# KiCad board Model K Pico-0.2.kicad_pcb
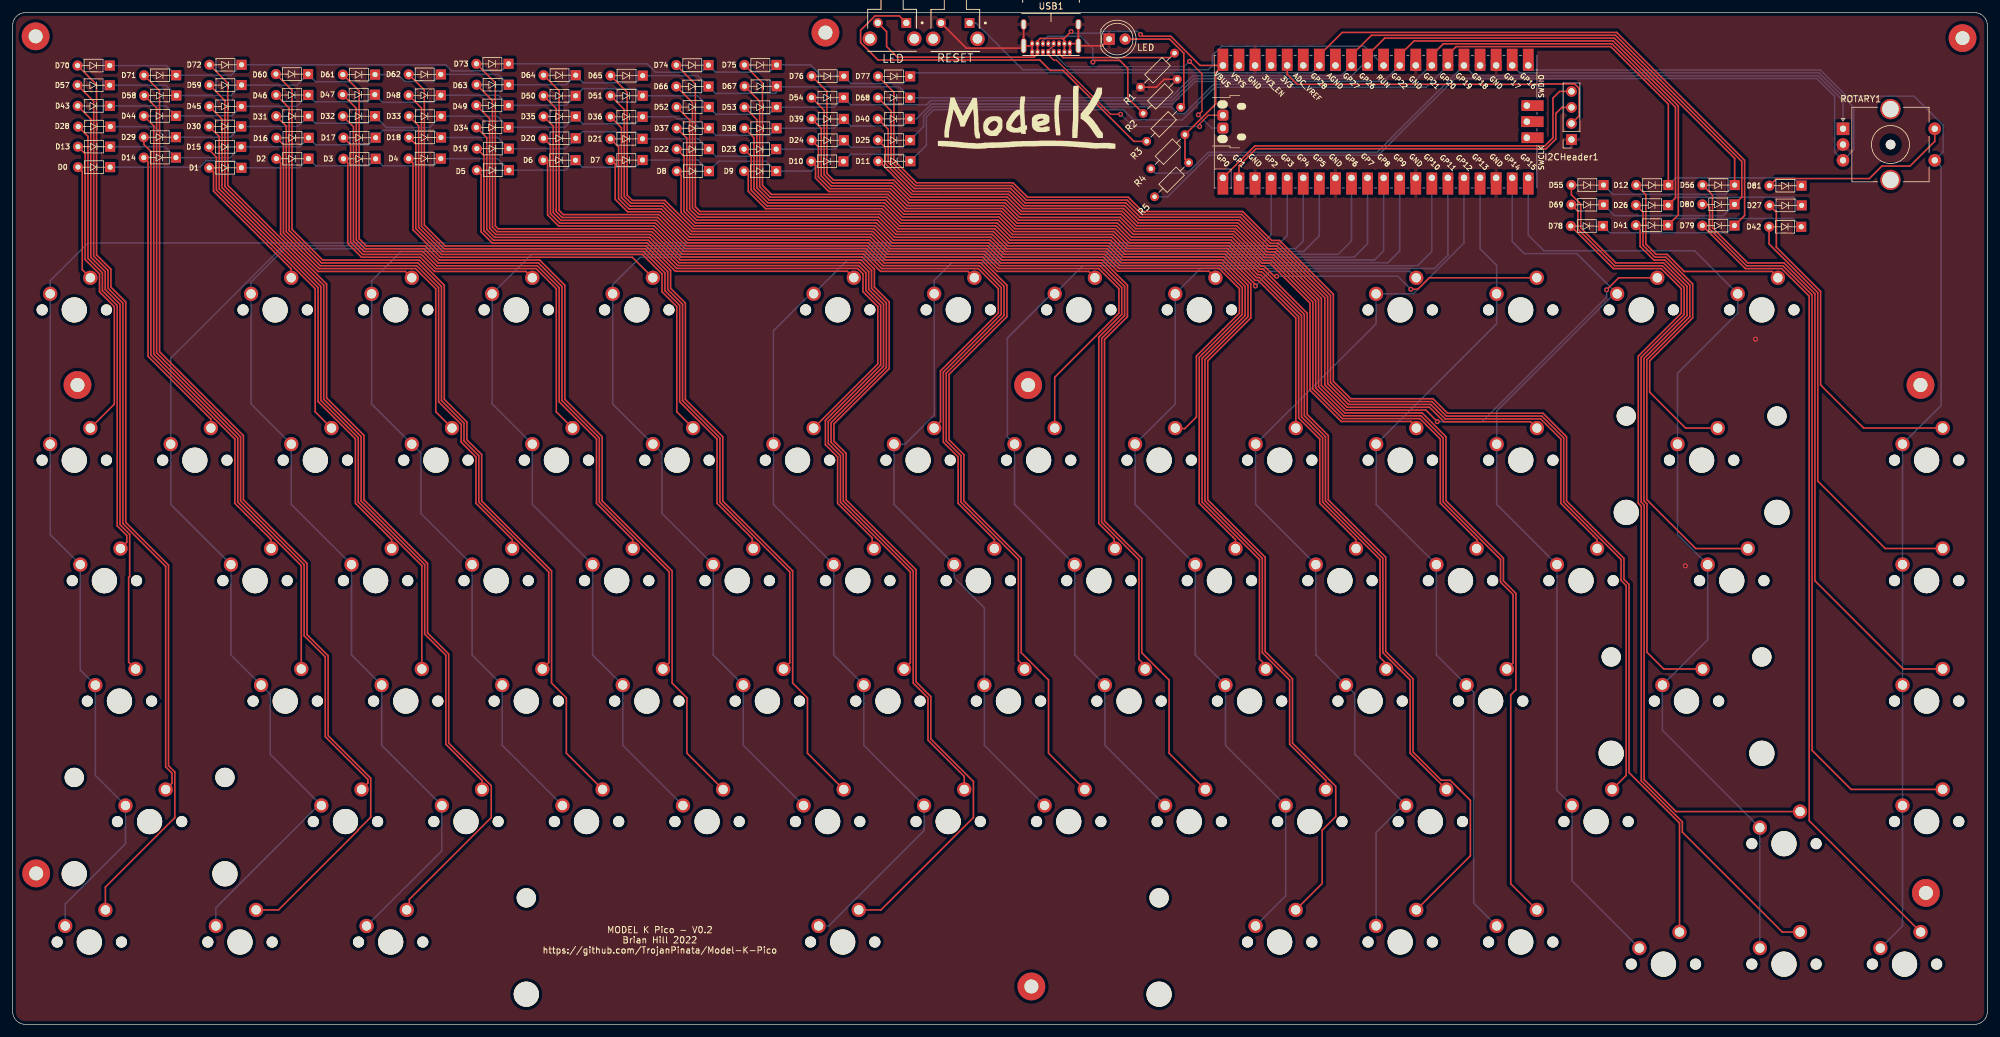
[diagram p0: board, top side]
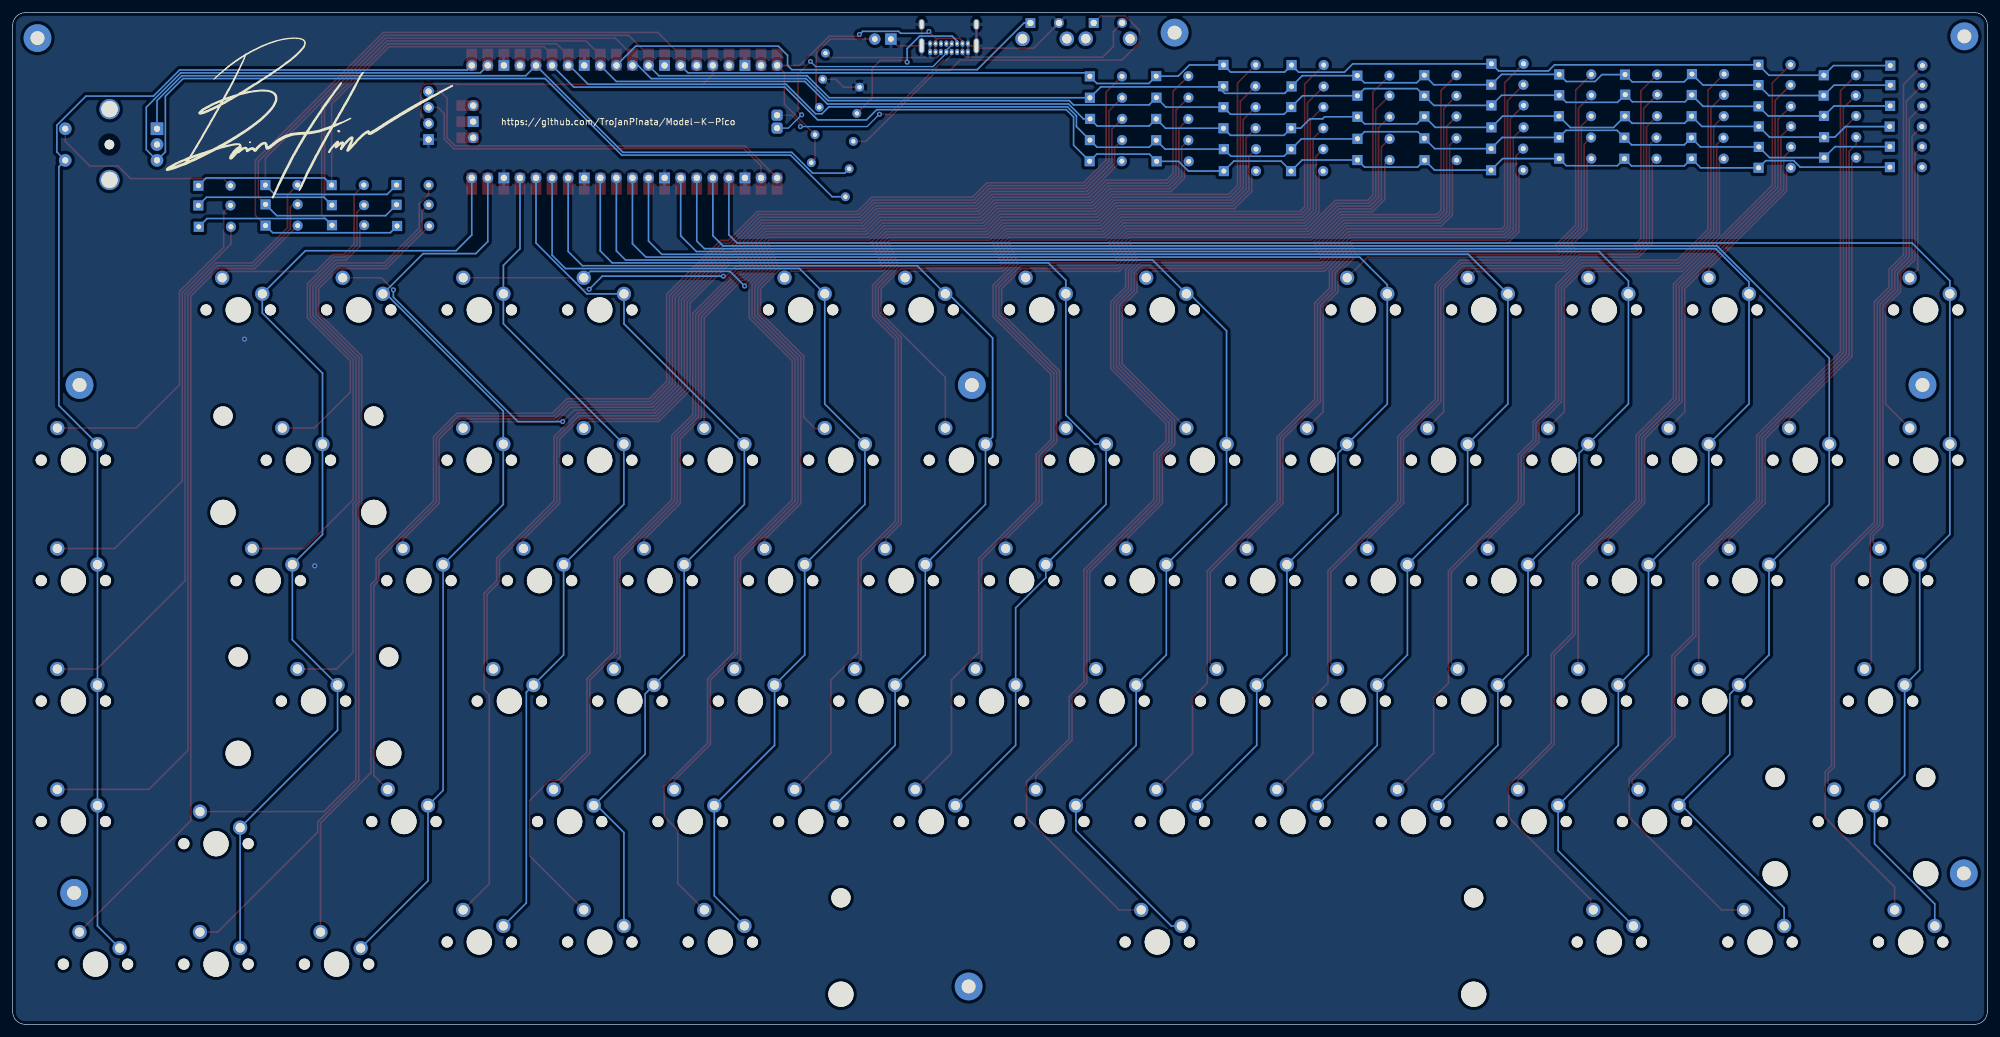
[diagram p1: board, bottom side, seen from below]

Outline 312.07 x 160 mm; copper layers: Top, Bottom. Coordinates in mm from the lower left corner of the outline.
Outline path: 0,158 arc(0.59,159.42) 2,160 310.07,160 arc(311.48,159.42) 312.07,158 312.07,2 arc(311.48,0.59) 310.07,0 2,0 arc(0.59,0.59) 0,2 0,158
Stack: Top 0.035mm / dielectric 1.51mm FR4 er 4.5 / Bottom 0.035mm

## Placement (name value [footprint] x y rotation side)
D0  D  [D_DO-35_SOD27_P5.08mm_Horizontal]  16.67 135.57 180 top
D1  D  [D_DO-35_SOD27_P5.08mm_Horizontal]  37.42 135.47 180 top
D2  D  [D_DO-35_SOD27_P5.08mm_Horizontal]  48.02 136.91 180 top
D3  D  [D_DO-35_SOD27_P5.08mm_Horizontal]  58.63 136.89 180 top
D4  D  [D_DO-35_SOD27_P5.08mm_Horizontal]  68.94 136.92 180 top
D5  D  [D_DO-35_SOD27_P5.08mm_Horizontal]  79.7 135.09 180 top
D6  D  [D_DO-35_SOD27_P5.08mm_Horizontal]  90.21 136.68 180 top
D7  D  [D_DO-35_SOD27_P5.08mm_Horizontal]  100.81 136.69 180 top
D8  D  [D_DO-35_SOD27_P5.08mm_Horizontal]  111.31 134.94 180 top
D9  D  [D_DO-35_SOD27_P5.08mm_Horizontal]  121.93 134.95 180 top
D10  D  [D_DO-35_SOD27_P5.08mm_Horizontal]  132.56 136.49 180 top
D11  D  [D_DO-35_SOD27_P5.08mm_Horizontal]  143.14 136.51 180 top
D12  D  [D_DO-35_SOD27_P5.08mm_Horizontal]  262.93 132.73 180 top
D13  D  [D_DO-35_SOD27_P5.08mm_Horizontal]  16.67 138.81 180 top
D14  D  [D_DO-35_SOD27_P5.08mm_Horizontal]  27.07 137.08 180 top
D15  D  [D_DO-35_SOD27_P5.08mm_Horizontal]  37.38 138.77 180 top
D16  D  [D_DO-35_SOD27_P5.08mm_Horizontal]  48.05 140.21 180 top
D17  D  [D_DO-35_SOD27_P5.08mm_Horizontal]  58.63 140.23 180 top
D18  D  [D_DO-35_SOD27_P5.08mm_Horizontal]  68.97 140.26 180 top
D19  D  [D_DO-35_SOD27_P5.08mm_Horizontal]  79.7 138.5 180 top
D20  D  [D_DO-35_SOD27_P5.08mm_Horizontal]  90.24 140.13 180 top
D21  D  [D_DO-35_SOD27_P5.08mm_Horizontal]  100.81 140.05 180 top
D22  D  [D_DO-35_SOD27_P5.08mm_Horizontal]  111.3 138.41 180 top
D23  D  [D_DO-35_SOD27_P5.08mm_Horizontal]  121.93 138.42 180 top
D24  D  [D_DO-35_SOD27_P5.08mm_Horizontal]  132.62 139.82 180 top
D25  D  [D_DO-35_SOD27_P5.08mm_Horizontal]  143.09 139.84 180 top
D26  D  [D_DO-35_SOD27_P5.08mm_Horizontal]  262.89 129.56 180 top
D27  D  [D_DO-35_SOD27_P5.08mm_Horizontal]  284 129.52 180 top
D28  D  [D_DO-35_SOD27_P5.08mm_Horizontal]  16.7 141.98 180 top
D29  D  [D_DO-35_SOD27_P5.08mm_Horizontal]  27.07 140.31 180 top
D30  D  [D_DO-35_SOD27_P5.08mm_Horizontal]  37.38 142.01 180 top
D31  D  [D_DO-35_SOD27_P5.08mm_Horizontal]  48 143.63 180 top
D32  D  [D_DO-35_SOD27_P5.08mm_Horizontal]  58.54 143.63 180 top
D33  D  [D_DO-35_SOD27_P5.08mm_Horizontal]  68.97 143.63 180 top
D34  D  [D_DO-35_SOD27_P5.08mm_Horizontal]  79.64 141.86 180 top
D35  D  [D_DO-35_SOD27_P5.08mm_Horizontal]  90.24 143.58 180 top
D36  D  [D_DO-35_SOD27_P5.08mm_Horizontal]  100.81 143.54 180 top
D37  D  [D_DO-35_SOD27_P5.08mm_Horizontal]  111.3 141.73 180 top
D38  D  [D_DO-35_SOD27_P5.08mm_Horizontal]  121.99 141.72 180 top
D39  D  [D_DO-35_SOD27_P5.08mm_Horizontal]  132.62 143.19 180 top
D40  D  [D_DO-35_SOD27_P5.08mm_Horizontal]  143.07 143.2 180 top
D41  D  [D_DO-35_SOD27_P5.08mm_Horizontal]  262.87 126.39 180 top
D42  D  [D_DO-35_SOD27_P5.08mm_Horizontal]  283.93 126.14 180 top
D43  D  [D_DO-35_SOD27_P5.08mm_Horizontal]  16.64 145.25 180 top
D44  D  [D_DO-35_SOD27_P5.08mm_Horizontal]  27.09 143.66 180 top
D45  D  [D_DO-35_SOD27_P5.08mm_Horizontal]  37.42 145.18 180 top
D46  D  [D_DO-35_SOD27_P5.08mm_Horizontal]  47.98 146.98 180 top
D47  D  [D_DO-35_SOD27_P5.08mm_Horizontal]  58.5 147.03 180 top
D48  D  [D_DO-35_SOD27_P5.08mm_Horizontal]  68.94 146.94 180 top
D49  D  [D_DO-35_SOD27_P5.08mm_Horizontal]  79.64 145.33 180 top
D50  D  [D_DO-35_SOD27_P5.08mm_Horizontal]  90.25 146.85 180 top
D51  D  [D_DO-35_SOD27_P5.08mm_Horizontal]  100.83 146.86 180 top
D52  D  [D_DO-35_SOD27_P5.08mm_Horizontal]  111.28 145.08 180 top
D53  D  [D_DO-35_SOD27_P5.08mm_Horizontal]  121.99 145.06 180 top
D54  D  [D_DO-35_SOD27_P5.08mm_Horizontal]  132.59 146.56 180 top
D55  D  [D_DO-35_SOD27_P5.08mm_Horizontal]  252.69 132.74 180 top
D56  D  [D_DO-35_SOD27_P5.08mm_Horizontal]  273.41 132.74 180 top
D57  D  [D_DO-35_SOD27_P5.08mm_Horizontal]  16.61 148.53 180 top
D58  D  [D_DO-35_SOD27_P5.08mm_Horizontal]  27.14 146.89 180 top
D59  D  [D_DO-35_SOD27_P5.08mm_Horizontal]  37.45 148.55 180 top
D60  D  [D_DO-35_SOD27_P5.08mm_Horizontal]  47.95 150.29 180 top
D61  D  [D_DO-35_SOD27_P5.08mm_Horizontal]  58.54 150.21 180 top
D62  D  [D_DO-35_SOD27_P5.08mm_Horizontal]  68.94 150.24 180 top
D63  D  [D_DO-35_SOD27_P5.08mm_Horizontal]  79.67 148.6 180 top
D64  D  [D_DO-35_SOD27_P5.08mm_Horizontal]  90.25 150.11 180 top
D65  D  [D_DO-35_SOD27_P5.08mm_Horizontal]  100.84 150.04 180 top
D66  D  [D_DO-35_SOD27_P5.08mm_Horizontal]  111.23 148.33 180 top
D67  D  [D_DO-35_SOD27_P5.08mm_Horizontal]  122.02 148.36 180 top
D68  D  [D_DO-35_SOD27_P5.08mm_Horizontal]  143.09 146.54 180 top
D69  D  [D_DO-35_SOD27_P5.08mm_Horizontal]  252.68 129.62 180 top
D70  D  [D_DO-35_SOD27_P5.08mm_Horizontal]  16.61 151.63 180 top
D71  D  [D_DO-35_SOD27_P5.08mm_Horizontal]  27.11 150.1 180 top
D72  D  [D_DO-35_SOD27_P5.08mm_Horizontal]  37.45 151.76 180 top
D73  D  [D_DO-35_SOD27_P5.08mm_Horizontal]  79.64 151.91 180 top
D74  D  [D_DO-35_SOD27_P5.08mm_Horizontal]  111.23 151.71 180 top
D75  D  [D_DO-35_SOD27_P5.08mm_Horizontal]  121.99 151.73 180 top
D76  D  [D_DO-35_SOD27_P5.08mm_Horizontal]  132.62 149.96 180 top
D77  D  [D_DO-35_SOD27_P5.08mm_Horizontal]  143.11 149.93 180 top
D78  D  [D_DO-35_SOD27_P5.08mm_Horizontal]  252.59 126.26 180 top
D79  D  [D_DO-35_SOD27_P5.08mm_Horizontal]  273.38 126.32 180 top
D80  D  [D_DO-35_SOD27_P5.08mm_Horizontal]  273.38 129.68 180 top
D81  D  [D_DO-35_SOD27_P5.08mm_Horizontal]  283.98 132.64 180 top
G***  LOGO  [modelk]  160.21 143.24 0 top
G***#2  LOGO  [sig]  264.9 143.29 180 bottom
I2CHeader1  Conn_01x04  [PinSocket_1x04_P2.54mm_Vertical]  246.35 139.93 180 top
LED  LED 0402  [LED_D5.0mm]  173.28 155.82 0 top
NOREF  -  [unnamed]  301.51 101.12 0 top
NOREF#2  -  [unnamed]  302.36 20.79 0 top
NOREF#3  -  [unnamed]  160.49 101.11 0 top
NOREF#4  -  [unnamed]  128.45 156.84 0 top
NOREF#5  -  [unnamed]  10.25 101.12 0 top
NOREF#6  -  [unnamed]  3.72 23.88 0 top
NOREF#7  -  [unnamed]  161 5.99 0 top
NOREF#8  -  [unnamed]  3.63 156.26 0 top
R1  5.1k  [R_Axial_DIN0204_L3.6mm_D1.6mm_P7.62mm_Horizontal]  178.23 148.21 45 top
R2  5.1k  [R_Axial_DIN0204_L3.6mm_D1.6mm_P7.62mm_Horizontal]  178.67 144.07 45 top
R3  47K Resistor 0402  [R_Axial_DIN0204_L3.6mm_D1.6mm_P7.62mm_Horizontal]  179.21 139.64 45 top
R4  10k  [R_Axial_DIN0204_L3.6mm_D1.6mm_P7.62mm_Horizontal]  179.88 135.31 45 top
R5  10k  [R_Axial_DIN0204_L3.6mm_D1.6mm_P7.62mm_Horizontal]  180.46 130.88 45 top
REF**  -  [MountingHole_2.2mm_M2_Pad]  308.15 155.98 0 top
ROTARY1  RotaryEncoder_Switch  [RotaryEncoder_Alps_EC11E-Switch_Vertical_H20mm_CircularMountingHoles]  289.26 141.64 0 top
RPI1  Pico  [RPi_Pico_SMD_TH]  215.39 142.76 90 top
SW1  LED  [Omron-B3F-3122-MFG]  138.98 158.31 180 top
SW-1.5U-28  KEYSW  [MXOnly-1.5U-NoLED]  14.5 70.17 0 top
SW-1.5U-41  KEYSW  [MXOnly-1.5U-NoLED]  271.68 70.17 0 top
SW-1.25U-70  KEYSW  [MXOnly-1.25U-NoLED]  12.12 13.02 0 top
SW-1.25U-71  KEYSW  [MXOnly-1.25U-NoLED]  35.93 13.02 0 top
SW-1.25U-72  KEYSW  [MXOnly-1.25U-NoLED]  59.74 13.02 0 top
SW-1.75U-43  KEYSW  [MXOnly-1.75U-NoLED]  16.88 51.12 0 top
SW-1.75U-68  KEYSW  [MXOnly-1.75U-NoLED]  250.24 32.07 0 top
SW-1U-0  KEYSW  [MXOnly-1U-NoLED]  9.74 112.99 0 top
SW-1U-1  KEYSW  [MXOnly-1U-NoLED]  41.49 112.99 0 top
SW-1U-2  KEYSW  [MXOnly-1U-NoLED]  60.54 112.99 0 top
SW-1U-3  KEYSW  [MXOnly-1U-NoLED]  79.59 112.99 0 top
SW-1U-4  KEYSW  [MXOnly-1U-NoLED]  98.64 112.99 0 top
SW-1U-5  KEYSW  [MXOnly-1U-NoLED]  130.4 113 0 top
SW-1U-6  KEYSW  [MXOnly-1U-NoLED]  149.45 113 0 top
SW-1U-7  KEYSW  [MXOnly-1U-NoLED]  168.5 113 0 top
SW-1U-8  KEYSW  [MXOnly-1U-NoLED]  187.55 113 0 top
SW-1U-9  KEYSW  [MXOnly-1U-NoLED]  219.28 112.99 0 top
SW-1U-10  KEYSW  [MXOnly-1U-NoLED]  238.33 112.99 0 top
SW-1U-11  KEYSW  [MXOnly-1U-NoLED]  257.38 112.99 0 top
SW-1U-12  KEYSW  [MXOnly-1U-NoLED]  276.43 112.99 0 top
SW-1U-13  KEYSW  [MXOnly-1U-NoLED]  9.74 89.22 0 top
SW-1U-14  KEYSW  [MXOnly-1U-NoLED]  28.79 89.22 0 top
SW-1U-15  KEYSW  [MXOnly-1U-NoLED]  47.84 89.22 0 top
SW-1U-16  KEYSW  [MXOnly-1U-NoLED]  66.89 89.22 0 top
SW-1U-17  KEYSW  [MXOnly-1U-NoLED]  85.94 89.22 0 top
SW-1U-18  KEYSW  [MXOnly-1U-NoLED]  104.99 89.22 0 top
SW-1U-19  KEYSW  [MXOnly-1U-NoLED]  124.04 89.22 0 top
SW-1U-20  KEYSW  [MXOnly-1U-NoLED]  143.09 89.22 0 top
SW-1U-21  KEYSW  [MXOnly-1U-NoLED]  162.14 89.22 0 top
SW-1U-22  KEYSW  [MXOnly-1U-NoLED]  181.19 89.22 0 top
SW-1U-23  KEYSW  [MXOnly-1U-NoLED]  200.24 89.22 0 top
SW-1U-24  KEYSW  [MXOnly-1U-NoLED]  219.29 89.22 0 top
SW-1U-25  KEYSW  [MXOnly-1U-NoLED]  238.34 89.22 0 top
SW-1U-27  KEYSW  [MXOnly-1U-NoLED]  302.48 89.23 0 top
SW-1U-29  KEYSW  [MXOnly-1U-NoLED]  38.31 70.17 0 top
SW-1U-30  KEYSW  [MXOnly-1U-NoLED]  57.36 70.17 0 top
SW-1U-31  KEYSW  [MXOnly-1U-NoLED]  76.41 70.17 0 top
SW-1U-32  KEYSW  [MXOnly-1U-NoLED]  95.46 70.17 0 top
SW-1U-33  KEYSW  [MXOnly-1U-NoLED]  114.51 70.17 0 top
SW-1U-34  KEYSW  [MXOnly-1U-NoLED]  133.56 70.17 0 top
SW-1U-35  KEYSW  [MXOnly-1U-NoLED]  152.61 70.17 0 top
SW-1U-36  KEYSW  [MXOnly-1U-NoLED]  171.66 70.17 0 top
SW-1U-37  KEYSW  [MXOnly-1U-NoLED]  190.71 70.17 0 top
SW-1U-38  KEYSW  [MXOnly-1U-NoLED]  209.76 70.17 0 top
SW-1U-39  KEYSW  [MXOnly-1U-NoLED]  228.81 70.17 0 top
SW-1U-40  KEYSW  [MXOnly-1U-NoLED]  247.86 70.17 0 top
SW-1U-42  KEYSW  [MXOnly-1U-NoLED]  302.48 70.18 0 top
SW-1U-44  KEYSW  [MXOnly-1U-NoLED]  43.08 51.12 0 top
SW-1U-45  KEYSW  [MXOnly-1U-NoLED]  62.13 51.12 0 top
SW-1U-46  KEYSW  [MXOnly-1U-NoLED]  81.18 51.12 0 top
SW-1U-47  KEYSW  [MXOnly-1U-NoLED]  100.23 51.12 0 top
SW-1U-48  KEYSW  [MXOnly-1U-NoLED]  119.28 51.12 0 top
SW-1U-49  KEYSW  [MXOnly-1U-NoLED]  138.33 51.12 0 top
SW-1U-50  KEYSW  [MXOnly-1U-NoLED]  157.38 51.12 0 top
SW-1U-51  KEYSW  [MXOnly-1U-NoLED]  176.43 51.12 0 top
SW-1U-52  KEYSW  [MXOnly-1U-NoLED]  195.48 51.12 0 top
SW-1U-53  KEYSW  [MXOnly-1U-NoLED]  214.53 51.12 0 top
SW-1U-54  KEYSW  [MXOnly-1U-NoLED]  233.58 51.12 0 top
SW-1U-56  KEYSW  [MXOnly-1U-NoLED]  302.48 51.13 0 top
SW-1U-58  KEYSW  [MXOnly-1U-NoLED]  52.6 32.07 0 top
SW-1U-59  KEYSW  [MXOnly-1U-NoLED]  71.65 32.07 0 top
SW-1U-60  KEYSW  [MXOnly-1U-NoLED]  90.7 32.07 0 top
SW-1U-61  KEYSW  [MXOnly-1U-NoLED]  109.75 32.07 0 top
SW-1U-62  KEYSW  [MXOnly-1U-NoLED]  128.8 32.07 0 top
SW-1U-63  KEYSW  [MXOnly-1U-NoLED]  147.85 32.07 0 top
SW-1U-64  KEYSW  [MXOnly-1U-NoLED]  166.9 32.07 0 top
SW-1U-65  KEYSW  [MXOnly-1U-NoLED]  185.95 32.07 0 top
SW-1U-66  KEYSW  [MXOnly-1U-NoLED]  205 32.07 0 top
SW-1U-67  KEYSW  [MXOnly-1U-NoLED]  224.05 32.07 0 top
SW-1U-69  KEYSW  [MXOnly-1U-NoLED]  279.93 28.57 0 top
SW-1U-74  KEYSW  [MXOnly-1U-NoLED]  200.23 13.02 0 top
SW-1U-75  KEYSW  [MXOnly-1U-NoLED]  219.28 13.02 0 top
SW-1U-76  KEYSW  [MXOnly-1U-NoLED]  238.33 13.02 0 top
SW-1U-77  KEYSW  [MXOnly-1U-NoLED]  260.88 9.52 0 top
SW-1U-78  KEYSW  [MXOnly-1U-NoLED]  279.93 9.52 0 top
SW-1U-79  KEYSW  [MXOnly-1U-NoLED]  298.98 9.52 0 top
SW-1U-80  KEYSW  [MXOnly-1U-NoLED]  302.48 32.08 0 top
SW-2.25U-55  KEYSW  [MXOnly-2.25U-NoLED]  264.53 51.12 0 top
SW-2.25U-57  KEYSW  [MXOnly-2.25U-NoLED]  21.64 32.07 0 top
SW-2U-26  KEYSW  [MXOnly-2U-NoLED]  266.92 89.22 0 top
SW-6.25U-73  KEYSW  [MXOnly-6.25U-NoLED]  131.18 13.02 0 top
SW-BUTTON1  RESET  [Omron-B3F-3122-MFG]  148.98 158.29 180 top
USB1  HRO-TYPE-C-31-M-12  [USB_C_GCT_USB4085]  164.1 159.88 180 top

## Library data of the parts
R1 R2 = -: LCSC: C25905
R3 = -: LCSC: C17513
USB1 = -: LCSC: C165948

## Footprints (pads in the part's own frame, mm; a bottom-side part is the same pattern mirrored in y, then rotated)
D_DO-35_SOD27_P5.08mm_Horizontal
  rect 1.6x1.6 hole 0.8: 1(1.27,0)
  oval 1.6x1.6 hole 0.8: 2(6.35,0)
LED_D5.0mm
  rect 1.8x1.8 hole 0.9: 1(0,0)
  round 1.8 hole 0.9: 2(2.54,0)
MountingHole_2.2mm_M2_Pad
  round 4.4 hole 2.2: 1(0,0)
MXOnly-1.5U-NoLED
  round 1.75 hole 1.75 unplated: (-5.08,0) (5.08,0)
  round 3.988 hole 3.988 unplated: (0,0)
  round 2.25 hole 1.47: 1(-3.81,2.54) 2(2.54,5.08)
MXOnly-1.25U-NoLED
  round 1.75 hole 1.75 unplated: (-5.08,0) (5.08,0)
  round 3.988 hole 3.988 unplated: (0,0)
  round 2.25 hole 1.47: 1(-3.81,2.54) 2(2.54,5.08)
MXOnly-1.75U-NoLED
  round 1.75 hole 1.75 unplated: (-5.08,0) (5.08,0)
  round 3.988 hole 3.988 unplated: (0,0)
  round 2.25 hole 1.47: 1(-3.81,2.54) 2(2.54,5.08)
MXOnly-1U-NoLED
  round 1.75 hole 1.75 unplated: (-5.08,0) (5.08,0)
  round 3.988 hole 3.988 unplated: (0,0)
  round 2.25 hole 1.47: 1(-3.81,2.54) 2(2.54,5.08)
MXOnly-2.25U-NoLED
  round 3.048 hole 3.048 unplated: (-11.906,6.985) (11.906,6.985)
  round 3.988 hole 3.988 unplated: (-11.906,-8.255) (0,0) (11.906,-8.255)
  round 1.75 hole 1.75 unplated: (-5.08,0) (5.08,0)
  round 2.25 hole 1.47: 1(-3.81,2.54) 2(2.54,5.08)
MXOnly-2U-NoLED
  round 3.048 hole 3.048 unplated: (-11.906,6.985) (11.906,6.985)
  round 3.988 hole 3.988 unplated: (-11.906,-8.255) (0,0) (11.906,-8.255)
  round 1.75 hole 1.75 unplated: (-5.08,0) (5.08,0)
  round 2.25 hole 1.47: 1(-3.81,2.54) 2(2.54,5.08)
MXOnly-6.25U-NoLED
  round 3.048 hole 3.048 unplated: (-50,6.985) (50,6.985)
  round 3.988 hole 3.988 unplated: (-50,-8.255) (0,0) (50,-8.255)
  round 1.75 hole 1.75 unplated: (-5.08,0) (5.08,0)
  round 2.25 hole 1.47: 1(-3.81,2.54) 2(2.54,5.08)
Omron-B3F-3122-MFG
  rect 1.55x1.55 hole 1: 1(-2.25,-0.075)
  round 1.55 hole 1: 2(2.25,-0.075)
  round 2.3 hole 1.5: 3(-3.5,2.425) 4(3.5,2.425)
PinSocket_1x04_P2.54mm_Vertical
  rect 1.7x1.7 hole 1: 1(0,0)
  oval 1.7x1.7 hole 1: 2(0,-2.54) 3(0,-5.08) 4(0,-7.62)
R_Axial_DIN0204_L3.6mm_D1.6mm_P7.62mm_Horizontal
  round 1.4 hole 0.7: 1(0,0)
  oval 1.4x1.4 hole 0.7: 2(7.62,0)
RotaryEncoder_Alps_EC11E-Switch_Vertical_H20mm_CircularMountingHoles
  round 1.524 hole 2.5 unplated: (7.52,-2.5)
  rect 2x2 hole 1: A(0,0)
  round 2 hole 1: B(0,-5) C(0,-2.5) S1(14.5,-5) S2(14.5,0)
  round 3.2 hole 2.6: MP(7.5,3.1) MP(7.5,-8.1)
RPi_Pico_SMD_TH
  oval 1.35x1.7 smd: (-2.73,24.19) (2.73,24.19)
  oval 1.1x1.5 smd: (-2.42,21.19) (2.42,21.19)
  oval 1.7x1.7 hole 1.02: 1(-8.89,24.13) 2(-8.89,21.59) 4(-8.89,16.51) 5(-8.89,13.97) 6(-8.89,11.43) 7(-8.89,8.89) 9(-8.89,3.81) 10(-8.89,1.27) 11(-8.89,-1.27) 12(-8.89,-3.81) 14(-8.89,-8.89) 15(-8.89,-11.43) 16(-8.89,-13.97) 17(-8.89,-16.51) 19(-8.89,-21.59) 20(-8.89,-24.13) 21(8.89,-24.13) 22(8.89,-21.59) 24(8.89,-16.51) 25(8.89,-13.97) 26(8.89,-11.43) 27(8.89,-8.89) 29(8.89,-3.81) 30(8.89,-1.27) 31(8.89,1.27) 32(8.89,3.81) 34(8.89,8.89) 35(8.89,11.43) 36(8.89,13.97) 37(8.89,16.51) 39(8.89,21.59) 40(8.89,24.13) 41(-2.54,-23.9) 43(2.54,-23.9)
  rect 3.5x1.7 smd: 1(-8.89,24.13) 2(-8.89,21.59) 3(-8.89,19.05) 4(-8.89,16.51) 5(-8.89,13.97) 6(-8.89,11.43) 7(-8.89,8.89) 8(-8.89,6.35) 9(-8.89,3.81) 10(-8.89,1.27) 11(-8.89,-1.27) 12(-8.89,-3.81) 13(-8.89,-6.35) 14(-8.89,-8.89) 15(-8.89,-11.43) 16(-8.89,-13.97) 17(-8.89,-16.51) 18(-8.89,-19.05) 19(-8.89,-21.59) 20(-8.89,-24.13) 21(8.89,-24.13) 22(8.89,-21.59) 23(8.89,-19.05) 24(8.89,-16.51) 25(8.89,-13.97) 26(8.89,-11.43) 27(8.89,-8.89) 28(8.89,-6.35) 29(8.89,-3.81) 30(8.89,-1.27) 31(8.89,1.27) 32(8.89,3.81) 33(8.89,6.35) 34(8.89,8.89) 35(8.89,11.43) 36(8.89,13.97) 37(8.89,16.51) 38(8.89,19.05) 39(8.89,21.59) 40(8.89,24.13)
  rect 1.7x1.7 hole 1.02: 3(-8.89,19.05) 8(-8.89,6.35) 13(-8.89,-6.35) 18(-8.89,-19.05) 23(8.89,-19.05) 28(8.89,-6.35) 33(8.89,6.35) 38(8.89,19.05) 42(0,-23.9)
  rect 1.7x3.5 smd: 41(-2.54,-23.9) 42(0,-23.9) 43(2.54,-23.9)
  rrect 1.75x1.75 hole 1: TP2(1.016,24.125) TP3(-1.016,24.125)
unnamed
  round 4.4 hole 2.2: 1(0,0)
USB_C_GCT_USB4085
  oval 0.65x1 hole 0.4: A1(-2.975,6.1) A4(-2.125,6.1) A5(-1.275,6.1) A6(-0.425,6.1) A7(0.425,6.1) A8(1.275,6.1) A9(2.125,6.1) A12(2.975,6.1) B1(2.98,4.775) B4(2.13,4.775) B5(1.28,4.775) B6(0.43,4.775) B7(-0.42,4.775) B8(-1.27,4.775) B9(-2.12,4.775) B12(-2.975,4.775)
  oval 0.9x2.4 hole 0.6x2.1: S1(-4.325,5.12) S1(4.325,5.12)
  oval 0.9x1.7 hole 0.6x1.4: S1(-4.325,1.74) S1(4.325,1.74)

## Nets
/3.3V: I2CHeader1.2 RPI1.36
GND: I2CHeader1.1 LED.1 R1.1 R2.2 ROTARY1.C RPI1.3 RPI1.8 RPI1.13 RPI1.18 RPI1.23 RPI1.28 RPI1.38 SW-BUTTON1.2 USB1.A1 USB1.A12 USB1.B1 USB1.B12 USB1.S1
VCC: R4.2 R5.2 RPI1.40 SW1.2 USB1.A4 USB1.A9 USB1.B4 USB1.B9
/col0: RPI1.4 SW-1.5U-28.1 SW-1.25U-70.1 SW-1.75U-43.1 SW-1U-0.1 SW-1U-13.1 SW-2.25U-57.1
/col1: RPI1.5 SW-1.25U-71.1 SW-1U-14.1 SW-1U-29.1 SW-1U-44.1 SW-1U-58.1
/col2: RPI1.6 SW-1.25U-72.1 SW-1U-1.1 SW-1U-15.1 SW-1U-30.1 SW-1U-45.1 SW-1U-59.1
/col3: RPI1.7 SW-1U-2.1 SW-1U-16.1 SW-1U-31.1 SW-1U-46.1 SW-1U-60.1
/col4: RPI1.9 SW-1U-3.1 SW-1U-17.1 SW-1U-32.1 SW-1U-47.1 SW-1U-61.1
/col5: RPI1.10 SW-1U-4.1 SW-1U-18.1 SW-1U-33.1 SW-1U-48.1 SW-1U-62.1
/col6: RPI1.11 SW-1U-5.1 SW-1U-19.1 SW-1U-34.1 SW-1U-49.1 SW-1U-63.1 SW-6.25U-73.1
/col7: RPI1.12 SW-1U-6.1 SW-1U-20.1 SW-1U-35.1 SW-1U-50.1 SW-1U-64.1
/col8: RPI1.14 SW-1U-7.1 SW-1U-21.1 SW-1U-36.1 SW-1U-51.1 SW-1U-65.1
/col9: RPI1.15 SW-1U-8.1 SW-1U-22.1 SW-1U-37.1 SW-1U-52.1 SW-1U-66.1 SW-1U-74.1
/col10: RPI1.16 SW-1U-9.1 SW-1U-23.1 SW-1U-38.1 SW-1U-53.1 SW-1U-67.1 SW-1U-75.1
/col11: RPI1.17 SW-1U-10.1 SW-1U-24.1 SW-1U-39.1 SW-1U-54.1 SW-1U-76.1
/col12: RPI1.19 SW-1.75U-68.1 SW-1U-11.1 SW-1U-25.1 SW-1U-40.1 SW-1U-77.1
/col13: RPI1.20 SW-1.5U-41.1 SW-1U-12.1 SW-1U-69.1 SW-1U-78.1 SW-2.25U-55.1 SW-2U-26.1
/col14: ROTARY1.S1 RPI1.21 SW-1U-27.1 SW-1U-42.1 SW-1U-56.1 SW-1U-79.1 SW-1U-80.1
/D+: RPI1.TP3 USB1.A6 USB1.B6
/D-: RPI1.TP2 USB1.A7 USB1.B7
/RES: D81.2 ROTARY1.S2
/RESCLK: R4.1 ROTARY1.A RPI1.25
/RESDATA: R5.1 ROTARY1.B RPI1.22
/RESET: RPI1.30 SW-BUTTON1.1
/row0: D0.1 D1.1 D2.1 D3.1 D4.1 D5.1 D6.1 D7.1 D8.1 D9.1 D10.1 D11.1 D12.1 D81.1 RPI1.26
/row1: D13.1 D14.1 D15.1 D16.1 D17.1 D18.1 D19.1 D20.1 D21.1 D22.1 D23.1 D24.1 D25.1 D26.1 D27.1 RPI1.27
/row2: D28.1 D29.1 D30.1 D31.1 D32.1 D33.1 D34.1 D35.1 D36.1 D37.1 D38.1 D39.1 D40.1 D41.1 D42.1 RPI1.29
/row3: D43.1 D44.1 D45.1 D46.1 D47.1 D48.1 D49.1 D50.1 D51.1 D52.1 D53.1 D54.1 D55.1 D56.1 RPI1.31
/row4: D57.1 D58.1 D59.1 D60.1 D61.1 D62.1 D63.1 D64.1 D65.1 D66.1 D67.1 D68.1 D69.1 D80.1 RPI1.32
/row5: D70.1 D71.1 D72.1 D73.1 D74.1 D75.1 D76.1 D77.1 D78.1 D79.1 RPI1.34
/SCL: I2CHeader1.3 RPI1.2
/SDA: I2CHeader1.4 RPI1.1
Net-(D0-Pad2): D0.2 SW-1U-0.2
Net-(D1-Pad2): D1.2 SW-1U-1.2
Net-(D2-Pad2): D2.2 SW-1U-2.2
Net-(D3-Pad2): D3.2 SW-1U-3.2
Net-(D4-Pad2): D4.2 SW-1U-4.2
Net-(D5-Pad2): D5.2 SW-1U-5.2
Net-(D6-Pad2): D6.2 SW-1U-6.2
Net-(D7-Pad2): D7.2 SW-1U-7.2
Net-(D8-Pad2): D8.2 SW-1U-8.2
Net-(D9-Pad2): D9.2 SW-1U-9.2
Net-(D10-Pad2): D10.2 SW-1U-10.2
Net-(D11-Pad2): D11.2 SW-1U-11.2
Net-(D12-Pad2): D12.2 SW-1U-12.2
Net-(D13-Pad2): D13.2 SW-1U-13.2
Net-(D14-Pad2): D14.2 SW-1U-14.2
Net-(D15-Pad2): D15.2 SW-1U-15.2
Net-(D16-Pad2): D16.2 SW-1U-16.2
Net-(D17-Pad2): D17.2 SW-1U-17.2
Net-(D18-Pad2): D18.2 SW-1U-18.2
Net-(D19-Pad2): D19.2 SW-1U-19.2
Net-(D20-Pad2): D20.2 SW-1U-20.2
Net-(D21-Pad2): D21.2 SW-1U-21.2
Net-(D22-Pad2): D22.2 SW-1U-22.2
Net-(D23-Pad2): D23.2 SW-1U-23.2
Net-(D24-Pad2): D24.2 SW-1U-24.2
Net-(D25-Pad2): D25.2 SW-1U-25.2
Net-(D26-Pad2): D26.2 SW-2U-26.2
Net-(D27-Pad2): D27.2 SW-1U-27.2
Net-(D28-Pad2): D28.2 SW-1.5U-28.2
Net-(D29-Pad2): D29.2 SW-1U-29.2
Net-(D30-Pad2): D30.2 SW-1U-30.2
Net-(D31-Pad2): D31.2 SW-1U-31.2
Net-(D32-Pad2): D32.2 SW-1U-32.2
Net-(D33-Pad2): D33.2 SW-1U-33.2
Net-(D34-Pad2): D34.2 SW-1U-34.2
Net-(D35-Pad2): D35.2 SW-1U-35.2
Net-(D36-Pad2): D36.2 SW-1U-36.2
Net-(D37-Pad2): D37.2 SW-1U-37.2
Net-(D38-Pad2): D38.2 SW-1U-38.2
Net-(D39-Pad2): D39.2 SW-1U-39.2
Net-(D40-Pad2): D40.2 SW-1U-40.2
Net-(D41-Pad2): D41.2 SW-1.5U-41.2
Net-(D42-Pad2): D42.2 SW-1U-42.2
Net-(D43-Pad2): D43.2 SW-1.75U-43.2
Net-(D44-Pad2): D44.2 SW-1U-44.2
Net-(D45-Pad2): D45.2 SW-1U-45.2
Net-(D46-Pad2): D46.2 SW-1U-46.2
Net-(D47-Pad2): D47.2 SW-1U-47.2
Net-(D48-Pad2): D48.2 SW-1U-48.2
Net-(D49-Pad2): D49.2 SW-1U-49.2
Net-(D50-Pad2): D50.2 SW-1U-50.2
Net-(D51-Pad2): D51.2 SW-1U-51.2
Net-(D52-Pad2): D52.2 SW-1U-52.2
Net-(D53-Pad2): D53.2 SW-1U-53.2
Net-(D54-Pad2): D54.2 SW-1U-54.2
Net-(D55-Pad2): D55.2 SW-2.25U-55.2
Net-(D56-Pad2): D56.2 SW-1U-56.2
Net-(D57-Pad2): D57.2 SW-2.25U-57.2
Net-(D58-Pad2): D58.2 SW-1U-58.2
Net-(D59-Pad2): D59.2 SW-1U-59.2
Net-(D60-Pad2): D60.2 SW-1U-60.2
Net-(D61-Pad2): D61.2 SW-1U-61.2
Net-(D62-Pad2): D62.2 SW-1U-62.2
Net-(D63-Pad2): D63.2 SW-1U-63.2
Net-(D64-Pad2): D64.2 SW-1U-64.2
Net-(D65-Pad2): D65.2 SW-1U-65.2
Net-(D66-Pad2): D66.2 SW-1U-66.2
Net-(D67-Pad2): D67.2 SW-1U-67.2
Net-(D68-Pad2): D68.2 SW-1.75U-68.2
Net-(D69-Pad2): D69.2 SW-1U-69.2
Net-(D70-Pad2): D70.2 SW-1.25U-70.2
Net-(D71-Pad2): D71.2 SW-1.25U-71.2
Net-(D72-Pad2): D72.2 SW-1.25U-72.2
Net-(D73-Pad2): D73.2 SW-6.25U-73.2
Net-(D74-Pad2): D74.2 SW-1U-74.2
Net-(D75-Pad2): D75.2 SW-1U-75.2
Net-(D76-Pad2): D76.2 SW-1U-76.2
Net-(D77-Pad2): D77.2 SW-1U-77.2